# KiCad board audio-latency-processing-board.kicad_pcb
title: audio-latency-processing-board; date: 2025-01-24; rev: 1.2.0
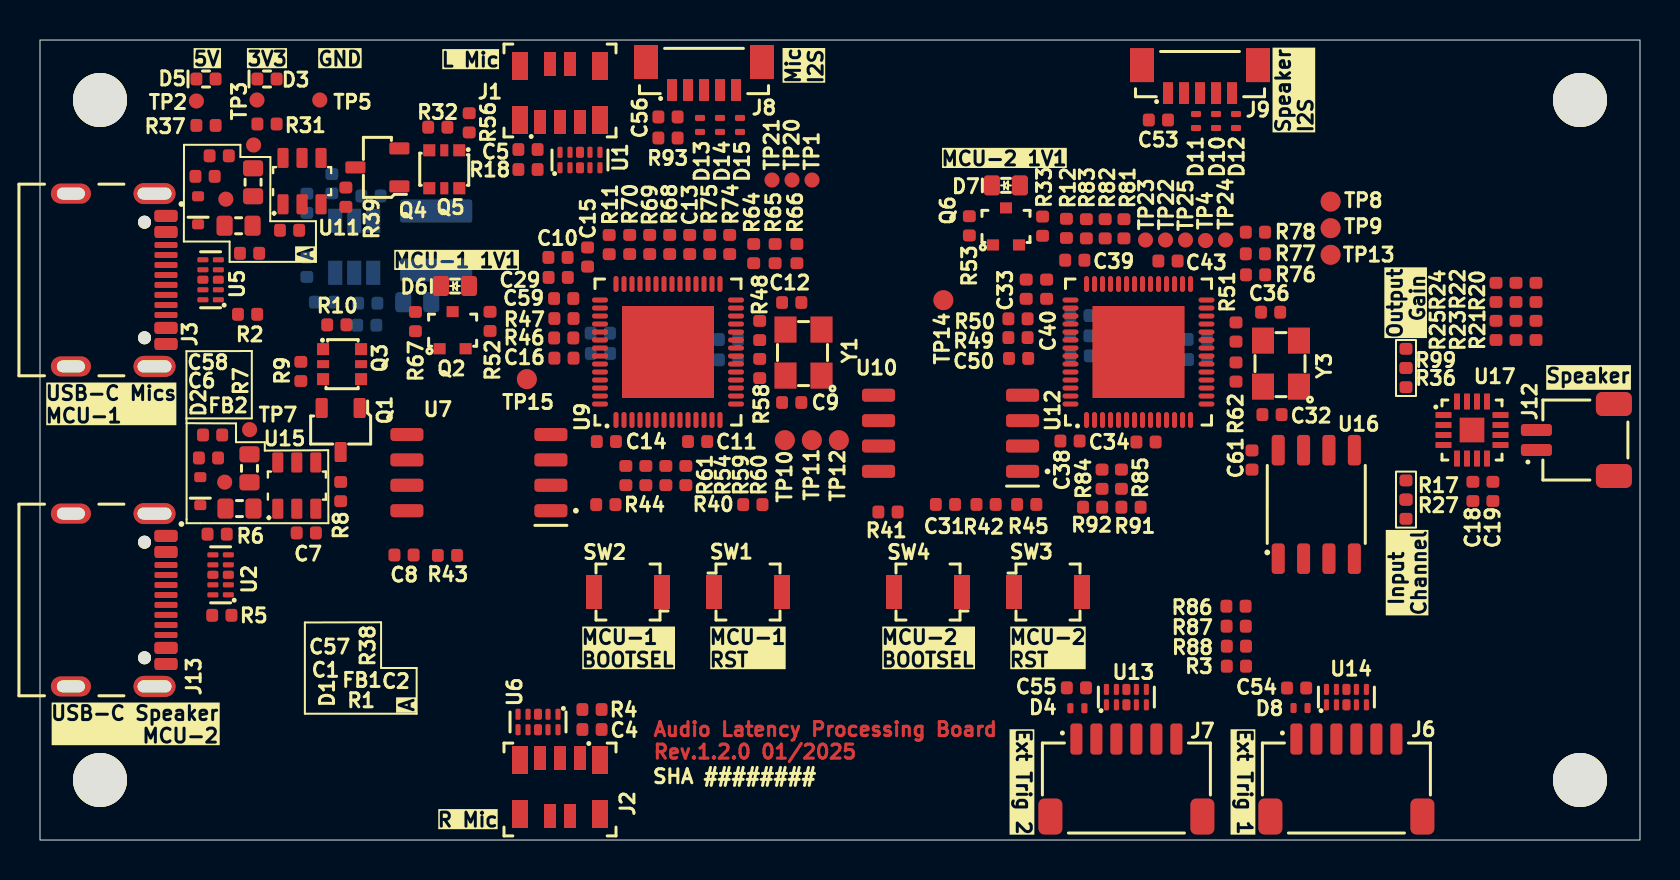
[diagram p0: board, top side]
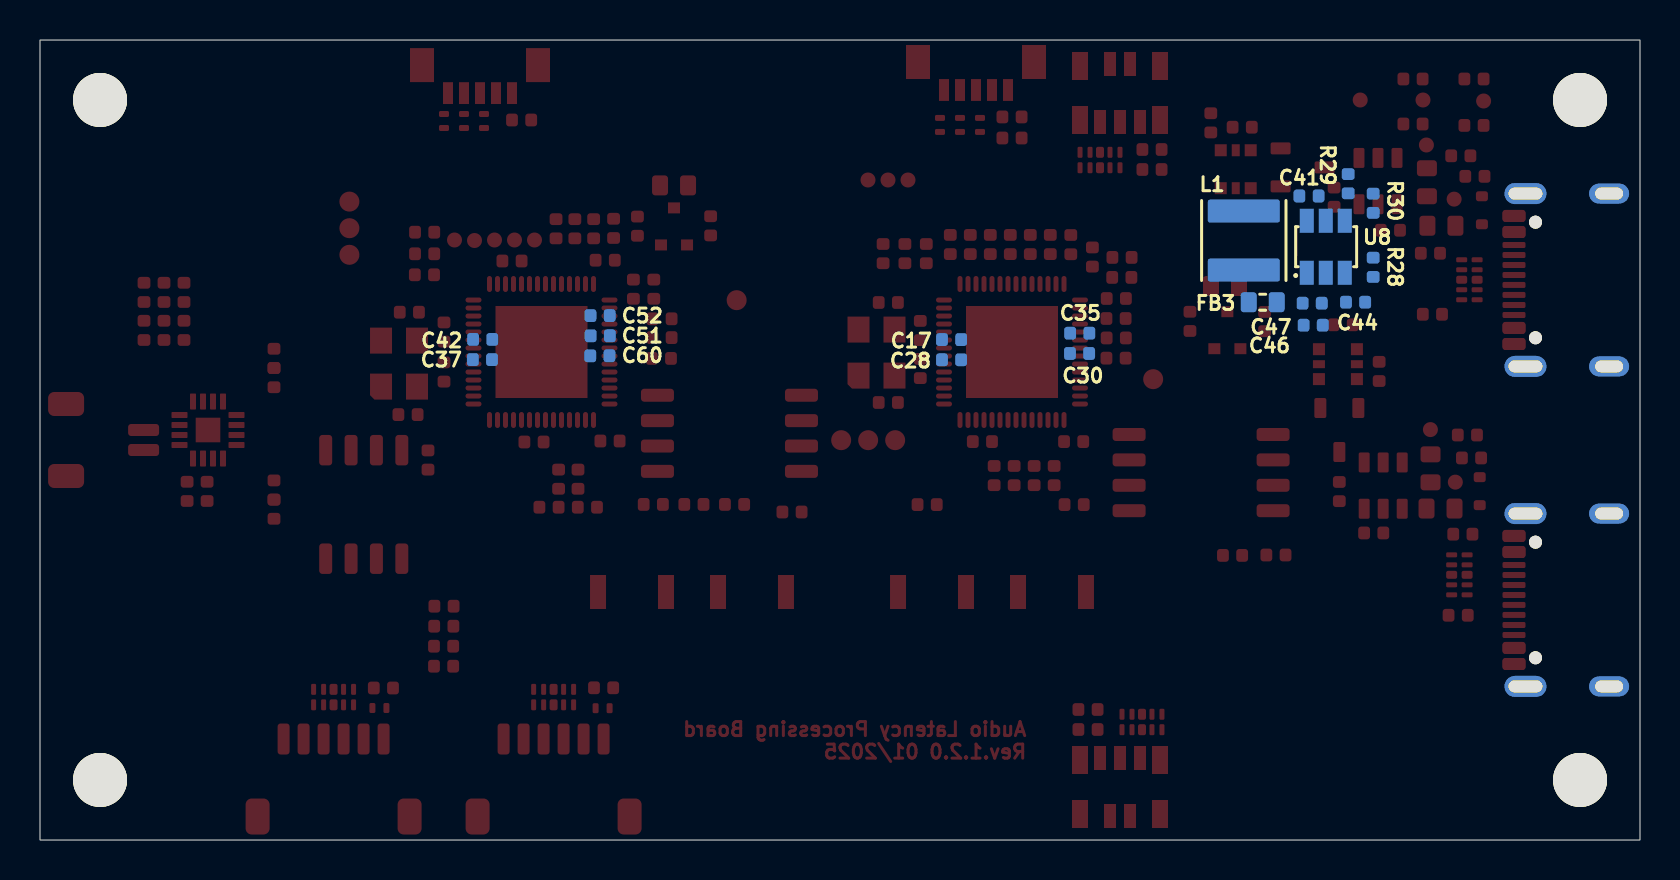
[diagram p1: board, bottom side, seen from below]

Outline 80 x 40 mm; copper layers: Top, In1.Cu, In2.Cu, Bottom. Coordinates in mm from the lower left corner of the outline.
Outline path: rectangle 0,40 80,0
Stack: Top 0.035mm / dielectric 0.18mm PR7628 er 4.5 / dielectric 0.18mm / In1.Cu 0.035mm / dielectric 1.24mm FR4 er 4.5 / In2.Cu 0.035mm / dielectric 0.18mm FR4 er 4.5 / dielectric 0.18mm / Bottom 0.035mm

## Placement (name value [footprint] x y rotation side)
C1  C_10n_0402  [C_0402_1005Metric]  8.25 33.18 0 top
C2  C_100n_0402  [C_0402_1005Metric]  12.48 30.49 180 top
C4  C_100n_0402  [C_0402_1005Metric]  27.6 5.53 180 top
C5  C_100n_0402  [C_0402_1005Metric]  24.4 34.53 0 top
C6  C_10n_0402  [C_0402_1005Metric]  8.42 19.1 0 top
C7  C_100n_0402  [C_0402_1005Metric]  13.31 15.35 0 top
C8  C_100n_0402  [C_0402_1005Metric]  18.2 14.25 180 top
C9  C_18p_0402  [C_0402_1005Metric]  37.59 21.88 0 top
C10  C_1u_0402  [C_0402_1005Metric]  25.9 29.13 0 top
C11  C_100n_16V_X7R_0402  [C_0402_1005Metric]  32.88 19.92 180 top
C12  C_18p_0402  [C_0402_1005Metric]  37.59 26.88 180 top
C13  C_100n_16V_X7R_0402  [C_0402_1005Metric]  32.49 29.78 270 top
C14  C_100n_16V_X7R_0402  [C_0402_1005Metric]  28.32 19.92 0 top
C15  C_100n_16V_X7R_0402  [C_0402_1005Metric]  27.38 29.15 270 top
C16  C_100n_16V_X7R_0402  [C_0402_1005Metric]  26.2 24.09 0 top
C17  C_100n_16V_X7R_0402  [C_0402_1005Metric]  34.42 25.02 0 bottom
C18  C_100n_0402  [C_0402_1005Metric]  71.65 17.43 90 top
C19  C_10u_10V_0402  [C_0402_1005Metric]  72.65 17.43 90 top
C28  C_100n_16V_X7R_0402  [C_0402_1005Metric]  34.42 24.01 0 bottom
C29  C_100n_16V_X7R_0402  [C_0402_1005Metric]  25.91 28.13 0 top
C30  C_100n_16V_X7R_0402  [C_0402_1005Metric]  28.02 24.33 180 bottom
C31  C_100n_0402  [C_0402_1005Metric]  45.27 16.78 180 top
C32  C_18p_0402  [C_0402_1005Metric]  61.6 21.27 0 top
C33  C_1u_0402  [C_0402_1005Metric]  49.31 27.54 270 top
C34  C_100n_16V_X7R_0402  [C_0402_1005Metric]  55.3 19.9 0 top
C35  C_1u_0402  [C_0402_1005Metric]  28.01 25.34 180 bottom
C36  C_18p_0402  [C_0402_1005Metric]  61.53 26.39 180 top
C37  C_100n_16V_X7R_0402  [C_0402_1005Metric]  57.88 24.02 0 bottom
C38  C_100n_16V_X7R_0402  [C_0402_1005Metric]  51.5 19.95 0 top
C39  C_100n_16V_X7R_0402  [C_0402_1005Metric]  51.74 28.99 0 top
C40  C_100n_16V_X7R_0402  [C_0402_1005Metric]  50.33 27.54 270 top
C41  C_100n_0402  [C_0402_1005Metric]  16.55 32.2 0 bottom
C42  C_100n_16V_X7R_0402  [C_0402_1005Metric]  57.87 25.03 0 bottom
C43  C_100n_16V_X7R_0402  [C_0402_1005Metric]  56.4 28.95 180 top
C44  C_10u_10V_0402  [C_0402_1005Metric]  14.22 26.89 180 bottom
C46  C_22u_0402  [C_0402_1005Metric]  16.34 25.74 0 bottom
C47  C_22u_0402  [C_0402_1005Metric]  16.39 26.84 0 bottom
C50  C_100n_16V_X7R_0402  [C_0402_1005Metric]  48.93 24.08 0 top
C51  C_100n_16V_X7R_0402  [C_0402_1005Metric]  51.99 25.21 180 bottom
C52  C_1u_0402  [C_0402_1005Metric]  52 26.22 180 bottom
C53  C_100n_0402  [C_0402_1005Metric]  55.92 36 0 top
C54  C_100n_0402  [C_0402_1005Metric]  62.83 7.6 0 top
C55  C_100n_0402  [C_0402_1005Metric]  51.82 7.61 0 top
C56  C_100n_0402  [C_0402_1005Metric]  31.4 36.16 0 top
C57  C_10u_10V_0402  [C_0402_1005Metric]  8.96 34.21 0 top
C58  C_10u_10V_0402  [C_0402_1005Metric]  8.63 20.25 0 top
C59  C_100n_16V_X7R_0402  [C_0402_1005Metric]  26.19 27.08 0 top
C60  C_100n_16V_X7R_0402  [C_0402_1005Metric]  52.01 24.21 180 bottom
C61  C_100n_16V_X7R_0402  [C_0402_1005Metric]  60.6 19 90 top
D1  PESD5V0X1UB  [SOD-523]  7.9 31.49 90 top
D2  PESD5V0X1UB  [SOD-523]  8.01 17.44 90 top
D3  LED_G_0402_VLMTG1500-GS08  [LED_0402_1005Metric_G]  11.35 38.05 180 top
D4  TPD1E0B04_XDFN-2  [XDFN-2_1x0.60mm]  51.87 6.59 0 top
D5  LED_G_0402_VLMTG1500-GS08  [LED_0402_1005Metric_G]  8.3 38.05 180 top
D6  LED_G_0603_KP-1608CGCK  [LED_0603_1608Metric_G]  20.75 27.7 0 top
D7  LED_G_0603_KP-1608CGCK  [LED_0603_1608Metric_G]  48.3 32.73 0 top
D8  TPD1E0B04_XDFN-2  [XDFN-2_1x0.60mm]  63.03 6.6 0 top
D10  TPD1E0B04_XDFN-2  [XDFN-2_1x0.60mm]  58.8 35.95 90 top
D11  TPD1E0B04_XDFN-2  [XDFN-2_1x0.60mm]  57.8 35.95 90 top
D12  TPD1E0B04_XDFN-2  [XDFN-2_1x0.60mm]  59.8 35.95 90 top
D13  TPD1E0B04_XDFN-2  [XDFN-2_1x0.60mm]  33 35.75 90 top
D14  TPD1E0B04_XDFN-2  [XDFN-2_1x0.60mm]  34 35.75 90 top
D15  TPD1E0B04_XDFN-2  [XDFN-2_1x0.60mm]  35 35.75 90 top
FB1  FB_120Z_2A_Murata-BLM18PG_0603  [FB_0603_1608Metric]  9.93 30.71 0 top
FB2  FB_120Z_2A_Murata-BLM18PG_0603  [FB_0603_1608Metric]  9.97 16.57 0 top
FB3  FB_120Z_2A_Murata-BLM18PG_0603  [FB_0603_1608Metric]  18.87 26.89 0 bottom
J1  -  [Conn_FFC_Molex_5019510550]  26 37.47 90 top
J2  -  [Conn_FFC_Molex_5019510550]  26 2.53 270 top
J3  USB-C_GCT_USB4105-GF-A  [USB-C_Receptacle_GCT_USB4105-GF-A]  2.8 28 270 top
J6  JST_SH_1x6_SM06B-SRSS-TB-LF-SN  [Conn_JST_SH_1x6_SM06B-SRSS-TB-LF-SN]  65.32 2.95 0 top
J7  JST_SH_1x6_SM06B-SRSS-TB-LF-SN  [Conn_JST_SH_1x6_SM06B-SRSS-TB-LF-SN]  54.32 2.95 0 top
J8  JST_SUR_1x5_BM05B-SURS-TB-LF-SN  [Conn_JST_SUR_1x5_BM05B-SURS-TF-LF-SN]  33.2 38.45 90 top
J9  JST_SUR_1x5_BM05B-SURS-TB-LF-SN  [Conn_JST_SUR_1x5_BM05B-SURS-TF-LF-SN]  58 38.3 90 top
J12  JST_SH_1x2_SM02B-SRSS-TB-LF-SN  [Conn_JST_SH_1x2_SM02B-SRSS-TB-LF-SN]  76.79 20 90 top
J13  USB-C_GCT_USB4105-GF-A  [USB-C_Receptacle_GCT_USB4105-GF-A]  2.8 12 270 top
L1  L_2u2_3.1A_Vishay-IFSC-1515AH-01  [L_Vishay-IFSC-1515AH]  19.81 29.97 270 bottom
MP1  -  [MP_NPTH_Drill2.7mm]  3 3 0 top
MP2  -  [MP_NPTH_Drill2.7mm]  77 3 0 top
MP3  -  [MP_NPTH_Drill2.7mm]  77 37 0 top
MP4  -  [MP_NPTH_Drill2.7mm]  3 37 0 top
Q1  SSM3J332R  [SOT-23-3]  15.03 20.5 270 top
Q2  BC817-25W  [SOT-323]  20.63 25.49 90 top
Q3  BCM857BS-7-F  [SOT-363]  15.1 23.79 0 top
Q4  SSM3J332R  [SOT-23-3]  16.87 33.63 180 top
Q5  BCM857BS-7-F  [SOT-363]  20.21 33.54 270 top
Q6  BC817-25W  [SOT-323#2]  48.3 30.68 90 top
R1  R_5k1_0402  [R_0402_1005Metric]  10.48 29.34 0 top
R2  R_5k1_0402  [R_0402_1005Metric]  10.38 26.29 0 top
R3  R_0R_0402  [R_0402_1005Metric]  59.82 8.69 180 top
R4  R_0R_0402  [R_0402_1005Metric]  27.6 6.53 0 top
R5  R_5k1_0402  [R_0402_1005Metric]  9.09 11.24 180 top
R6  R_5k1_0402  [R_0402_1005Metric]  8.86 15.29 180 top
R7  R_0R_22.4A_0603  [R_0603_1608Metric]  10.47 18.58 90 top  (not fitted)
R8  R_20k_0402  [R_0402_1005Metric]  15.03 17.42 90 top
R9  R_10k_0402  [R_0402_1005Metric]  13.04 23.43 270 top
R10  R_10k_0402  [R_0402_1005Metric]  14.84 25.76 0 top
R11  R_0R_0402  [R_0402_1005Metric]  28.46 29.77 90 top
R12  R_0R_0402  [R_0402_1005Metric]  51.32 30.58 90 top
R17  R_0R_0402  [R_0402_1005Metric]  68.3 17.5 270 top  (not fitted)
R18  R_0R_0402  [R_0402_1005Metric]  24.4 33.53 180 top
R20  R_0R_0402  [R_0402_1005Metric]  74.8 27.38 270 top
R21  R_0R_0402  [R_0402_1005Metric]  74.8 25.48 90 top
R22  R_0R_0402  [R_0402_1005Metric]  73.8 27.38 270 top
R23  R_0R_0402  [R_0402_1005Metric]  73.8 25.48 90 top
R24  R_0R_0402  [R_0402_1005Metric]  72.8 27.38 270 top
R25  R_0R_0402  [R_0402_1005Metric]  72.8 25.48 90 top
R27  R_1M_0402  [R_0402_1005Metric]  68.3 16.54 270 top
R28  R_0R_0402  [R_0402_1005Metric]  13.34 28.63 90 bottom
R29  R_3k16_0402  [R_0402_1005Metric]  14.59 32.81 90 bottom
R30  R_1k_0402  [R_0402_1005Metric]  13.34 31.84 90 bottom
R31  R_220R_0402  [R_0402_1005Metric]  11.35 35.8 0 top
R32  R_10k_0402  [R_0402_1005Metric]  19.89 35.64 180 top
R33  R_1k_0402  [R_0402_1005Metric]  50.13 30.69 90 top
R36  R_0R_0402  [R_0402_1005Metric]  68.3 23.12 90 top  (not fitted)
R37  R_1k_0402  [R_0402_1005Metric]  8.3 35.73 180 top
R38  R_0R_22.4A_0603  [R_0603_1608Metric]  10.65 32.89 90 top  (not fitted)
R39  R_20k_0402  [R_0402_1005Metric]  15.29 32.14 90 top
R40  R_10k_0402  [R_0402_1005Metric]  35.64 16.77 0 top
R41  R_10k_0402  [R_0402_1005Metric]  42.4 16.4 180 top
R42  R_10k_0402  [R_0402_1005Metric]  47.3 16.78 0 top  (not fitted)
R43  R_10k_0402  [R_0402_1005Metric]  20.37 14.23 0 top  (not fitted)
R44  R_1k_0402  [R_0402_1005Metric]  28.29 16.77 180 top
R45  R_1k_0402  [R_0402_1005Metric]  49.34 16.78 180 top
R46  R_27R_0402  [R_0402_1005Metric]  26.19 25.1 0 top
R47  R_27R_0402  [R_0402_1005Metric]  26.2 26.08 0 top
R48  R_1k_0402  [R_0402_1005Metric]  35.99 25.47 270 top
R49  R_27R_0402  [R_0402_1005Metric]  48.9 25.12 0 top
R50  R_27R_0402  [R_0402_1005Metric]  48.9 26.06 180 top
R51  R_1k_0402  [R_0402_1005Metric]  59.8 25.4 270 top
R52  R_1k_0402  [R_0402_1005Metric]  22.5 25.93 90 top
R53  R_270R_0402  [R_0402_1005Metric]  46.47 30.71 90 top
R54  R_0R_0402  [R_0402_1005Metric]  30.29 18.22 270 top  (not fitted)
R56  R_10k_0402  [R_0402_1005Metric]  21.46 35.86 270 top
R58  R_1M_0402  [R_0402_1005Metric]  35.99 23.58 90 top
R59  R_0R_0402  [R_0402_1005Metric]  31.29 18.22 270 top  (not fitted)
R60  R_0R_0402  [R_0402_1005Metric]  32.29 18.22 270 top
R61  R_0R_0402  [R_0402_1005Metric]  29.29 18.22 270 top
R62  R_1M_0402  [R_0402_1005Metric]  59.8 23.4 90 top
R64  R_51R_0402  [R_0402_1005Metric]  35.69 29.32 90 top
R65  R_51R_0402  [R_0402_1005Metric]  36.75 29.32 90 top
R66  R_0R_0402  [R_0402_1005Metric]  37.84 29.32 90 top
R67  R_270R_0402  [R_0402_1005Metric]  18.77 25.92 90 top
R68  R_0R_0402  [R_0402_1005Metric]  31.49 29.78 90 top
R69  R_0R_0402  [R_0402_1005Metric]  30.49 29.78 90 top
R70  R_0R_0402  [R_0402_1005Metric]  29.49 29.78 90 top
R74  R_0R_0402  [R_0402_1005Metric]  34.49 29.78 90 top
R75  R_0R_0402  [R_0402_1005Metric]  33.49 29.78 90 top
R76  R_0R_0402  [R_0402_1005Metric]  60.78 28.26 0 top
R77  R_51R_0402  [R_0402_1005Metric]  60.77 29.31 0 top
R78  R_51R_0402  [R_0402_1005Metric]  60.77 30.39 0 top
R81  R_0R_0402  [R_0402_1005Metric]  54.2 30.56 90 top
R82  R_0R_0402  [R_0402_1005Metric]  53.26 30.56 90 top
R83  R_0R_0402  [R_0402_1005Metric]  52.32 30.56 90 top
R84  R_0R_0402  [R_0402_1005Metric]  53.1 18.04 270 top
R85  R_0R_0402  [R_0402_1005Metric]  54.07 18.04 270 top
R86  R_0R_0402  [R_0402_1005Metric]  59.8 11.69 180 top
R87  R_0R_0402  [R_0402_1005Metric]  59.81 10.69 180 top
R88  R_0R_0402  [R_0402_1005Metric]  59.82 9.69 180 top
R91  R_2k7_0402  [R_0402_1005Metric]  54.55 16.64 0 top
R92  R_2k7_0402  [R_0402_1005Metric]  52.63 16.64 180 top
R93  R_0R_0402  [R_0402_1005Metric]  31.4 35.1 180 top
R99  R_0R_0402  [R_0402_1005Metric]  68.3 24.08 90 top  (not fitted)
SW1  -  [SW_B3U-1000P_SMD]  35.4 12.4 0 top
SW2  -  [SW_B3U-1000P_SMD]  29.4 12.4 180 top
SW3  -  [SW_B3U-1000P_SMD]  50.4 12.4 0 top
SW4  -  [SW_B3U-1000P_SMD]  44.4 12.4 180 top
TP1  TP_0.75mm_SMD  [TP_SMD_0.75mm]  38.6 33 90 top
TP2  TP_0.75mm_SMD  [TP_SMD_0.75mm]  7.82 36.95 270 top
TP3  TP_0.75mm_SMD  [TP_SMD_0.75mm]  10.85 37 270 top
TP4  TP_0.75mm_SMD  [TP_SMD_0.75mm]  58.28 29.97 90 top
TP5  TP_0.75mm_SMD  [TP_SMD_0.75mm#2]  13.99 36.93 90 top
TP6  TP_0.75mm_SMD  [TP_SMD_0.75mm]  10.68 34.75 90 top
TP7  TP_0.75mm_SMD  [TP_SMD_0.75mm]  10.48 20.52 90 top
TP8  TP_1mm_SMD  [TP_SMD_1mm]  64.53 31.92 90 top
TP9  TP_1mm_SMD  [TP_SMD_1mm]  64.53 30.59 90 top
TP10  TP_1mm_SMD  [TP_SMD_1mm]  37.24 19.99 90 top
TP11  TP_1mm_SMD  [TP_SMD_1mm]  38.59 19.99 135 top
TP12  TP_1mm_SMD  [TP_SMD_1mm]  39.94 19.99 135 top
TP13  TP_1mm_SMD  [TP_SMD_1mm]  64.53 29.26 270 top
TP14  TP_1mm_SMD  [TP_SMD_1mm]  45.17 26.99 0 top
TP15  TP_1mm_SMD  [TP_SMD_1mm]  24.34 23.04 90 top
TP16  TP_0.75mm_SMD  [TP_SMD_0.75mm]  9.29 32.04 270 top
TP17  TP_0.75mm_SMD  [TP_SMD_0.75mm]  9.23 17.89 0 top
TP20  TP_0.75mm_SMD  [TP_SMD_0.75mm]  37.6 33 90 top
TP21  TP_0.75mm_SMD  [TP_SMD_0.75mm]  36.6 33 90 top
TP22  TP_0.75mm_SMD  [TP_SMD_0.75mm]  56.28 30 0 top
TP23  TP_0.75mm_SMD  [TP_SMD_0.75mm]  55.28 30 0 top
TP24  TP_0.75mm_SMD  [TP_SMD_0.75mm]  59.28 30 0 top
TP25  TP_0.75mm_SMD  [TP_SMD_0.75mm]  57.28 30 270 top
U1  TPD4E05U06QDQARQ1  [USON-10_2.5x1mm_P0.5mm]  27 34 90 top
U2  TPD4E05U06QDQARQ1  [USON-10_2.5x1mm_P0.5mm]  9.03 13.26 180 top
U5  TPD4E05U06QDQARQ1  [USON-10_2.5x1mm_P0.5mm]  8.53 28.01 180 top
U6  TPD4E05U06QDQARQ1  [USON-10_2.5x1mm_P0.5mm]  24.9 5.9 270 top
U7  W25Q128JVSIQ_SOIC-8  [SOIC-8_5.3x5.3x2mm_P1.27mm]  21.94 18.37 180 top
U8  AP62301_TSOT  [TSOT23-6]  15.72 29.66 90 bottom
U9  RP2040  [QFN-56-1EP_7x7mm_P0.4mm_EP4.6x4.6mm]  31.4 24.4 90 top
U10  W25Q128JVSIQ_SOIC-8  [SOIC-8_5.3x5.3x2mm_P1.27mm]  45.53 20.33 180 top
U11  AP22652W6  [SOT-23-6]  13.1 32.89 0 top
U12  RP2040  [QFN-56-1EP_7x7mm_P0.4mm_EP4.6x4.6mm]  54.93 24.4 90 top
U13  TPD4E05U06QDQARQ1  [USON-10_2.5x1mm_P0.5mm]  54.32 7.15 90 top
U14  TPD4E05U06QDQARQ1  [USON-10_2.5x1mm_P0.5mm]  65.32 7.15 90 top
U15  AP22652W6  [SOT-23-6]  12.84 17.66 0 top
U16  IS66WVS4M8BLL-104NLI  [SOIC-8_3.9x4.9x1.75mm_P1.27mm]  63.81 16.78 90 top
U17  MAX98357A  [TQFN-16-1EP_3x3mm_P0.5mm]  71.6 20.5 0 top
Y1  Resonator_12MHz_ABM8G  [Resonator_SMD_Abracon_ABM8G_3.2x2.5mm]  38.13 24.32 90 top
Y3  Resonator_12MHz_ABM8G  [Resonator_SMD_Abracon_ABM8G_3.2x2.5mm]  62 23.77 90 top

## Library data of the parts
C1 = -: Datasheet: https://www.murata.com/products/productdetail?partno=GRM155R71H103KA88%23; Description: SMD Multilayer Ceramic Capacitor, 10000 pF, 50 V, 0402 [1005 Metric], ± 10%, X7R, GRM Series; MPN: GRM155R71H103KA88D; Manufacturer: Murata; License: Apache-2.0; Author: Antmicro; Val: 10n; Voltage: 50V; Dielectric: X7R; Field11: License: Apache-2.0; Field12: Author: Antmicro
C2 C5 = -: Datasheet: https://www.murata.com/products/productdetail?partno=GRM155R61H104KE14%23; Description: SMD Multilayer Ceramic Capacitor, 0.1 µF, 50 V, 0402 [1005 Metric], ± 10%, X5R, GRM Series; MPN: GRM155R61H104KE14D; Manufacturer: Murata; License: Apache-2.0; Author: Antmicro; Val: 100n; Voltage: 50V; Dielectric: X5R; Field11: Author: Antmicro; Field12: License: Apache-2.0
C4 C7 C8 C53 = -: Datasheet: https://www.murata.com/products/productdetail?partno=GRM155R61H104KE14%23; Description: SMD Multilayer Ceramic Capacitor, 0.1 µF, 50 V, 0402 [1005 Metric], ± 10%, X5R, GRM Series; MPN: GRM155R61H104KE14D; Manufacturer: Murata; License: Apache-2.0; Author: Antmicro; Val: 100n; Voltage: 50V; Dielectric: X5R; Field11: License: Apache-2.0; Field13: Author: Antmicro
C6 = -: Datasheet: https://www.murata.com/products/productdetail?partno=GRM155R71H103KA88%23; Description: SMD Multilayer Ceramic Capacitor, 10000 pF, 50 V, 0402 [1005 Metric], ± 10%, X7R, GRM Series; MPN: GRM155R71H103KA88D; Manufacturer: Murata; License: Apache-2.0; Author: Antmicro; Val: 10n; Voltage: 50V; Dielectric: X7R; Field11: License: Apache-2.0; Field13: Author: Antmicro
C9 = -: Datasheet: https://product.samsungsem.com/mlcc/CL05C180JB51PN.do; Description: SMD Multilayer Ceramic Capacitor, 18 pF, 50 V, 0402 [1005 Metric], ± 5%, C0G / NP0, MC; MPN: CL05C180JB51PNC; Manufacturer: Samsung Electro-Mechanics; License: Apache-2.0; Author: Antmicro; Val: 18p; Field12: License: Apache-2.0; Field13: Author: Antmicro
C10 = -: Datasheet: https://product.tdk.com/en/search/capacitor/ceramic/mlcc/info?part_no=C1005X6S1A105K050BC; Description: SMD Multilayer Ceramic Capacitor, 1 µF, 10 V, 0402 [1005 Metric], ± 10%, X6S, C; MPN: C1005X6S1A105K050BC; Manufacturer: TDK; License: Apache-2.0; Author: Antmicro; Val: 1u; Field11: Author: Antmicro; Field12: License: Apache-2.0
C11 C14 C34 C39 = -: Datasheet: https://www.kemet.com/en/us/capacitors/product/C0402C104J4RAC7411.html; Description: SMD Multilayer Ceramic Capacitor, 100nF, 50V, 0402, ±5%, X7R; MPN: C0402C104J4RAC7411; Manufacturer: KEMET; License: Apache-2.0; Author: Antmicro; Val: 100n; Voltage: 16V; Dielectric: X7R; Field12: License: Apache-2.0; Field13: Author: Antmicro
C12 = -: Datasheet: https://product.samsungsem.com/mlcc/CL05C180JB51PN.do; Description: SMD Multilayer Ceramic Capacitor, 18 pF, 50 V, 0402 [1005 Metric], ± 5%, C0G / NP0, MC; MPN: CL05C180JB51PNC; Manufacturer: Samsung Electro-Mechanics; License: Apache-2.0; Author: Antmicro; Val: 18p; Field11: License: Apache-2.0; Field12: Author: Antmicro
C13 C42 = -: Datasheet: https://www.kemet.com/en/us/capacitors/product/C0402C104J4RAC7411.html; Description: SMD Multilayer Ceramic Capacitor, 100nF, 50V, 0402, ±5%, X7R; MPN: C0402C104J4RAC7411; Manufacturer: KEMET; License: Apache-2.0; Author: Antmicro; Val: 100n; Voltage: 16V; Dielectric: X7R; Field11: Author: Antmicro; Field12: License: Apache-2.0
C15 C30 C37 C40 C43 = -: Datasheet: https://www.kemet.com/en/us/capacitors/product/C0402C104J4RAC7411.html; Description: SMD Multilayer Ceramic Capacitor, 100nF, 50V, 0402, ±5%, X7R; MPN: C0402C104J4RAC7411; Manufacturer: KEMET; License: Apache-2.0; Author: Antmicro; Val: 100n; Voltage: 16V; Dielectric: X7R; Field12: Author: Antmicro; Field13: License: Apache-2.0
C16 C29 C38 = -: Datasheet: https://www.kemet.com/en/us/capacitors/product/C0402C104J4RAC7411.html; Description: SMD Multilayer Ceramic Capacitor, 100nF, 50V, 0402, ±5%, X7R; MPN: C0402C104J4RAC7411; Manufacturer: KEMET; License: Apache-2.0; Author: Antmicro; Val: 100n; Voltage: 16V; Dielectric: X7R; Field11: License: Apache-2.0; Field13: Author: Antmicro
C17 = -: Datasheet: https://www.kemet.com/en/us/capacitors/product/C0402C104J4RAC7411.html; Description: SMD Multilayer Ceramic Capacitor, 100nF, 50V, 0402, ±5%, X7R; MPN: C0402C104J4RAC7411; Manufacturer: KEMET; License: Apache-2.0; Author: Antmicro; Val: 100n; Voltage: 16V; Dielectric: X7R; Field11: Author: Antmicro; Field13: License: Apache-2.0
C18 = -: Datasheet: https://www.murata.com/products/productdetail?partno=GRM155R61H104KE14%23; Description: SMD Multilayer Ceramic Capacitor, 0.1 µF, 50 V, 0402 [1005 Metric], ± 10%, X5R, GRM Series; MPN: GRM155R61H104KE14D; Manufacturer: Murata; License: Apache-2.0; Author: Antmicro; Val: 100n; Voltage: 50V; Dielectric: X5R; Field11: Author: Antmicro; Field13: License: Apache-2.0
C19 = -: Datasheet: https://www.murata.com/products/productdetail?partno=GRM155R61A106ME11%23; Description: Multilayer Ceramic Capacitors MLCC - SMD/SMT 10 uF 10 VDC 20% 0402 X5R; MPN: GRM155R61A106ME11D; Manufacturer: Murata; License: Apache-2.0; Author: Antmicro; Val: 10u; Voltage: 10V; Dielectric: X5R; Field11: License: Apache-2.0; Field12: Author: Antmicro
C28 C50 = -: Datasheet: https://www.kemet.com/en/us/capacitors/product/C0402C104J4RAC7411.html; Description: SMD Multilayer Ceramic Capacitor, 100nF, 50V, 0402, ±5%, X7R; MPN: C0402C104J4RAC7411; Val: 100n; Voltage: 16V; Dielectric: X7R; Manufacturer: KEMET; License: Apache-2.0; Author: Antmicro; Field11: License: Apache-2.0; Field13: Author: Antmicro
C31 C54 C55 = -: Datasheet: https://www.murata.com/products/productdetail?partno=GRM155R61H104KE14%23; Description: SMD Multilayer Ceramic Capacitor, 0.1 µF, 50 V, 0402 [1005 Metric], ± 10%, X5R, GRM Series; MPN: GRM155R61H104KE14D; Manufacturer: Murata; License: Apache-2.0; Author: Antmicro; Val: 100n; Voltage: 50V; Dielectric: X5R; Field12: License: Apache-2.0; Field13: Author: Antmicro
C32 = -: Datasheet: https://product.samsungsem.com/mlcc/CL05C180JB51PN.do; Description: SMD Multilayer Ceramic Capacitor, 18 pF, 50 V, 0402 [1005 Metric], ± 5%, C0G / NP0, MC; MPN: CL05C180JB51PNC; Manufacturer: Samsung Electro-Mechanics; License: Apache-2.0; Author: Antmicro; Val: 18p; Field11: License: Apache-2.0; Field13: Author: Antmicro
C33 = -: Datasheet: https://product.tdk.com/en/search/capacitor/ceramic/mlcc/info?part_no=C1005X6S1A105K050BC; Description: SMD Multilayer Ceramic Capacitor, 1 µF, 10 V, 0402 [1005 Metric], ± 10%, X6S, C; MPN: C1005X6S1A105K050BC; Manufacturer: TDK; License: Apache-2.0; Author: Antmicro; Val: 1u; Field12: Author: Antmicro; Field13: License: Apache-2.0
C35 C52 = -: Datasheet: https://product.tdk.com/en/search/capacitor/ceramic/mlcc/info?part_no=C1005X6S1A105K050BC; Description: SMD Multilayer Ceramic Capacitor, 1 µF, 10 V, 0402 [1005 Metric], ± 10%, X6S, C; MPN: C1005X6S1A105K050BC; Manufacturer: TDK; License: Apache-2.0; Author: Antmicro; Val: 1u; Field11: Author: Antmicro; Field13: License: Apache-2.0
C36 = -: Datasheet: https://product.samsungsem.com/mlcc/CL05C180JB51PN.do; Description: SMD Multilayer Ceramic Capacitor, 18 pF, 50 V, 0402 [1005 Metric], ± 5%, C0G / NP0, MC; MPN: CL05C180JB51PNC; Manufacturer: Samsung Electro-Mechanics; License: Apache-2.0; Author: Antmicro; Val: 18p; Field11: Author: Antmicro; Field12: License: Apache-2.0
C41 = -: Datasheet: https://www.murata.com/products/productdetail?partno=GRM155R61H104KE14%23; Description: SMD Multilayer Ceramic Capacitor, 0.1 µF, 50 V, 0402 [1005 Metric], ± 10%, X5R, GRM Series; MPN: GRM155R61H104KE14D; Manufacturer: Murata; License: Apache-2.0; Author: Antmicro; Val: 100n; Voltage: 50V; Dielectric: X5R; Field11: License: Apache-2.0; Field12: Author: Antmicro
C44 = -: Datasheet: https://www.murata.com/products/productdetail?partno=GRM155R61A106ME11%23; Description: Multilayer Ceramic Capacitors MLCC - SMD/SMT 10 uF 10 VDC 20% 0402 X5R; MPN: GRM155R61A106ME11D; Manufacturer: Murata; License: Apache-2.0; Author: Antmicro; Val: 10u; Voltage: 10V; Dielectric: X5R; Field12: License: Apache-2.0; Field13: Author: Antmicro
C46 = -: Datasheet: https://www.murata.com/products/productdetail?partno=GRM158R60J226ME01%23; Description: SMD Multilayer Ceramic Capacitor, 22 uF, 4 V, 0402 [1005 Metric], X6S; MPN: GRM158R60J226ME01D; Manufacturer: Murata; License: Apache-2.0; Author: Antmicro; Val: 22u; Field12: License: Apache-2.0; Field13: Author: Antmicro
C47 = -: Datasheet: https://www.murata.com/products/productdetail?partno=GRM158R60J226ME01%23; Description: SMD Multilayer Ceramic Capacitor, 22 uF, 4 V, 0402 [1005 Metric], X6S; MPN: GRM158R60J226ME01D; Manufacturer: Murata; License: Apache-2.0; Author: Antmicro; Val: 22u; Field11: Author: Antmicro; Field12: License: Apache-2.0
C51 C59 C61 = -: Datasheet: https://www.kemet.com/en/us/capacitors/product/C0402C104J4RAC7411.html; Description: SMD Multilayer Ceramic Capacitor, 100nF, 50V, 0402, ±5%, X7R; MPN: C0402C104J4RAC7411; Val: 100n; Voltage: 16V; Dielectric: X7R; Manufacturer: KEMET; License: Apache-2.0; Author: Antmicro; Field12: Author: Antmicro; Field13: License: Apache-2.0